# Altium PCB BCS1_REV2.2.PcbDoc (part 4 of 4)
Units mm, origin at the board's own origin, x right, y up, seen from the top; angles counter-clockwise.
Board outline 86.39 x 54.64 mm, 8 copper layers (TOP, LAYER 2 (Plane1), LAYER 3, LAYER 4_PWR1, LAYER 5_PWR2, LAYER 6, LAYER 7 (Plane2), BOTTOM), stack 1.674 mm thick; 201 components, 237 nets, 906 pads, 504 vias.
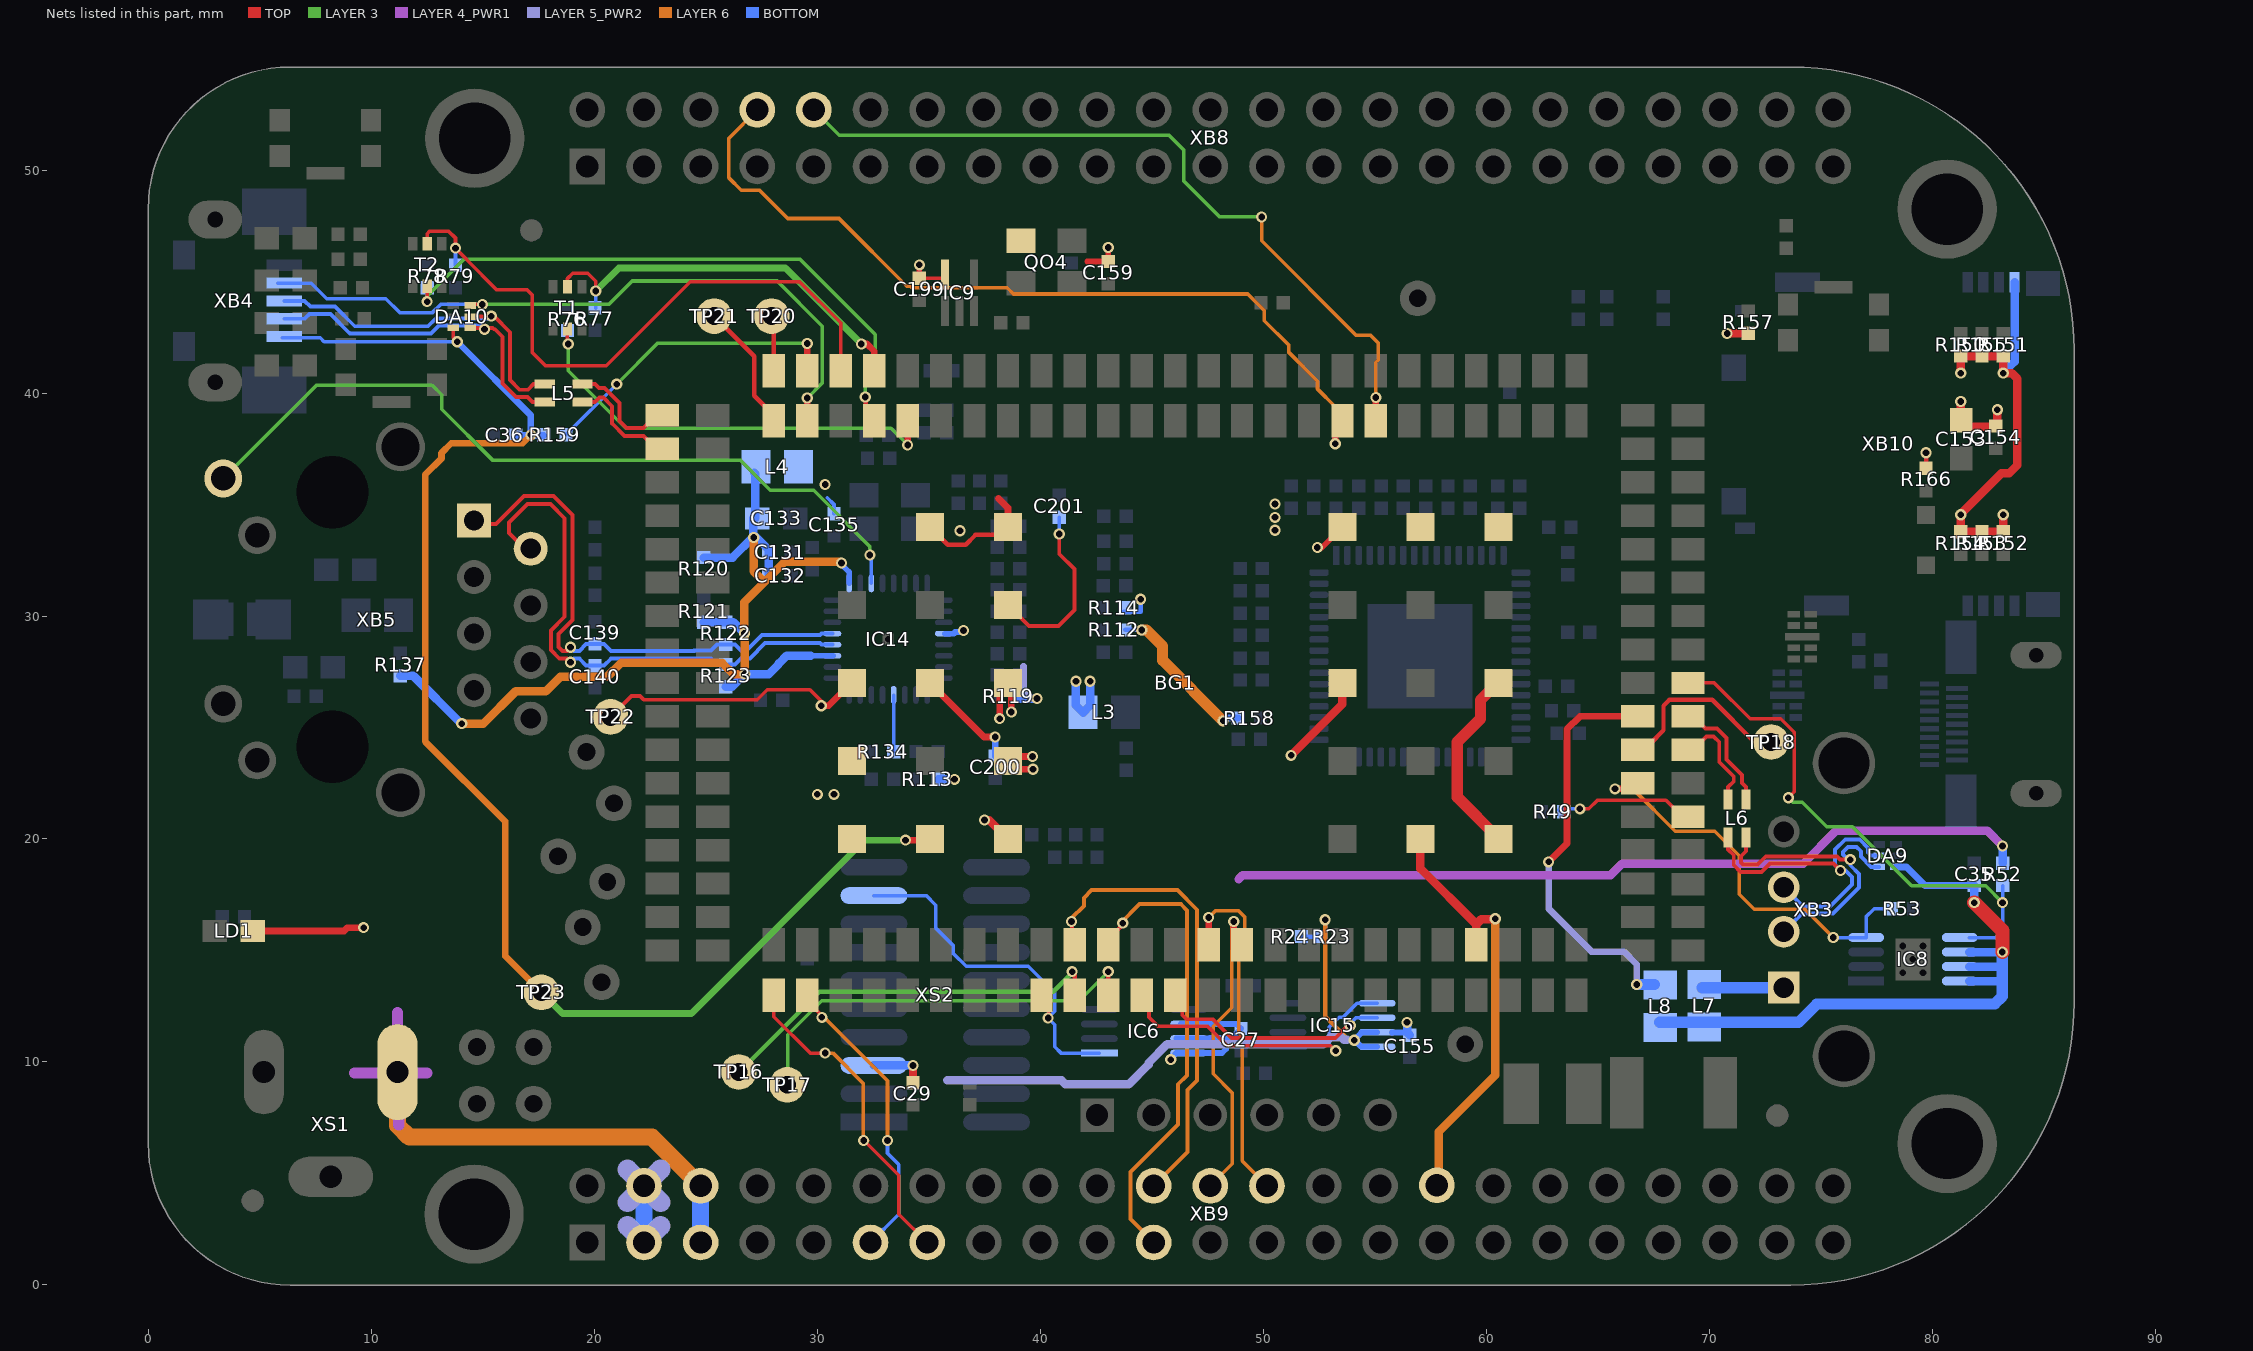
[diagram p10: the nets of this part, all layers, seen from the top]

## Via types
v1: diameter 0.5, hole 0.3, TOP to BOTTOM, tented both sides, 368 vias
v2: diameter 0.5, hole 0.3, TOP to BOTTOM, 128 vias
v3: diameter 0.559, hole 0.305, TOP to BOTTOM, tented both sides, 4 vias
v4: diameter 0.66, hole 0.33, TOP to BOTTOM, tented top, 4 vias

## Nets (pads, with @x,y where several pads share a name; then routed paths per layer and width w, separated by ;. In a path a pad name is that pad's centre, name@x,y a point inside that pad or via, vN(x,y) a via of type N, cw(c..) or ccw(c..) an arc to the next point about the centre after c; other vN are vias at no path point) (continued)
TIMER6: BG1.150 XB8.10 | length 34.6
  TOP w0.3: BG1.150@55.05,38.75 v1(55.05,39.8)
  LAYER 3 w0.16: XB8.10@29.845,52.705 30.988,51.562 45.775,51.562 46.425,50.912 46.425,49.525 48.05,47.9 v1(49.925,47.9)
  LAYER 6 w0.16: v1(49.925,47.9) 49.925,46.825 54.165,42.585 54.815,42.585 55.165,42.235 55.165,41.49 55.05,41.375 v1(55.05,39.8)
TIMER7: BG1.151 XB8.8 | length 38.5
  TOP w0.3: v1(53.225,37.725) BG1.151@53.225,38.8
  LAYER 6 w0.16: XB8.8@27.305,52.705 26.035,51.435 26.035,49.648 26.588,49.095 27.405,49.095 28.67,47.83 30.97,47.83 34.01,44.79 34.178,44.79 34.238,44.73 38.51,44.73 38.798,44.442 49.308,44.442 50.05,43.7 50.05,43.249 51.15,42.149 51.15,41.818 52.433,40.535 52.433,40.185 53.225,39.392 v1@53.225,37.7
TX_N: C140.2 IC14.28 R123.2 XB5.2 | length 24.8
  TOP w0.178: XB5.2@17.145,33.02 16.88,33.02 16.175,33.725 16.175,34.2 17,35.025 18.025,35.025 18.67,34.38 18.67,29.972 18.045,29.347 18.045,28.468 18.428,28.085 18.764,28.085 v1(18.925,27.924)
  BOTTOM w0.178: v1(18.925,27.924) 19.086,28.085 19.324,28.085 19.634,27.775 C140.2@20.025,27.775 20.434,27.775 20.744,28.085 24.5,28.085 ; 24.475,28.098 25.237,28.098 25.509,27.825 R123.2@25.9,27.825 26.309,27.825 26.582,28.098 26.973,28.098 27.662,28.787 30.112,28.787 30.184,28.715 IC14.28@30.674,28.715
TX_P: C139.2 IC14.29 R122.2 XB5.1 | length 24.8
  TOP w0.178: XB5.1@14.605,34.119 15.592,34.119 16.853,35.38 18.172,35.38 19.025,34.527 19.025,29.825 18.4,29.2 18.4,28.615 18.575,28.44 18.764,28.44 v1(18.925,28.601)
  BOTTOM w0.178: v1(18.925,28.601) 19.086,28.44 19.324,28.44 19.634,28.75 C139.2@20.025,28.75 20.434,28.75 20.744,28.44 24.5,28.44 ; 24.475,28.453 25.237,28.453 25.509,28.725 R122.2@25.9,28.725 26.309,28.725 26.582,28.453 26.825,28.453 27.515,29.142 30.112,29.142 30.184,29.215 IC14.29@30.674,29.215
TXCLK: IC14.20 R134.2 | length 2.5
  BOTTOM w0.16: R134.2@33.425,23.911 IC14.20@33.425,26.435
UART0_CTS#: BG1.44 TP16.1 | length 18
  TOP w0.2: v1(41.427,14.051) v1@41.549,14.051 ; BG1.44@41.55,13 v1@41.55,14.05
  LAYER 3 w0.2: TP16.1@26.488,9.538 30.1,13.15 40.575,13.15 41.427,14.002 v1(41.427,14.051)
UART0_RTS#: BG1.45 TP17.1 | length 19.1
  TOP w0.2: BG1.45@43.05,13 v1(43.05,14.05)
  LAYER 3 w0.16: TP17.1@28.175,8.975 28.675,9.475 28.675,11.225 30.2,12.75 41.75,12.75 v1(43.05,14.05)
UART0_RX: BG1.47 IC15.6 | length 10.6
  TOP w0.16: BG1.47@46.05,13 46.05,12.725 46.375,12.4 46.375,12.1 46.55,11.925 47.725,11.925 48.575,11.075 53.225,11.075 53.786,11.636 v2(53.903,11.636)
  BOTTOM w0.16: v2@53.857,11.682 54.156,11.981 IC15.6@55.105,11.981
UART0_TX: BG1.46 IC15.5 | length 13.9
  TOP w0.16: BG1.46@44.55,13 44.875,12.675 44.875,12 45.275,11.6 47.5,11.6 48.375,10.725 53.025,10.725 v2(53.25,10.5)
  BOTTOM w0.16: v2(53.25,10.5) 52.95,10.8 52.95,11.55 53.4,12 53.575,12 54.206,12.631 IC15.5@55.105,12.631
UART1_RXD: BG1.73 XB9.26 | length 15.8
  TOP w0.3: BG1.73@47.55,15.25 v1(47.55,16.475)
  LAYER 6 w0.16: v1(47.55,16.475) 47.865,16.79 48.878,16.79 49.165,16.503 49.165,15.897 48.905,15.637 48.905,11.292 49.05,11.147 49.05,5.56 XB9.26@50.165,4.445
UART1_TXD: BG1.74 XB9.24 | length 14.3
  TOP w0.3: BG1.74@48.675,15.075 v1(48.675,16.3)
  LAYER 6 w0.16: XB9.24@47.625,4.445 48.615,5.435 48.615,8.61 47.75,9.475 47.75,11.6 48.585,12.435 48.585,16.135 v1@48.75,16.3
UART2_RXD: BG1.69 XB9.22 | length 21
  TOP w0.177: BG1.69@41.425,15.25 v1@41.425,16.3
  LAYER 6 w0.177: v1@41.4,16.45 41.95,17 41.95,17.355 42.298,17.703 46.148,17.703 47.025,16.827 47.025,9.175 46.6,8.75 46.6,5.96 XB9.22@45.085,4.445
  other v1: 41.4,16.3
UART2_TXD: BG1.70 XB9.21 | length 21
  TOP w0.177: BG1.70@43.05,15.25 43.05,15.525 43.7,16.175 v1(43.7,16.225)
  LAYER 6 w0.177: v1@43.675,16.3 43.675,16.305 44.344,16.973 44.424,17.053 44.445,17.075 46.3,17.075 46.575,16.8 46.575,9.4 46.175,9 46.175,7.2 44.036,5.061 44.036,2.954 XB9.21@45.085,1.905
UART4_RXD: BG1.36 XB9.11 | length 13.4
  TOP w0.16: BG1.36@29.55,13 29.55,12.725 30.25,12.025 30.226,12.025 v1(30.201,12.001)
  LAYER 6 w0.16: v1@30.25,12.05 33.147,9.153 v1(33.147,6.477)
  BOTTOM w0.16: XB9.11@32.385,1.905 33.655,3.175 33.655,5.397 33.147,5.905 v1(33.147,6.477)
UART4_TXD: BG1.35 XB9.13 | length 15
  TOP w0.16: BG1.35@28.05,13 28.05,12.025 29.675,10.4 v2(30.35,10.4) ; v1(32.075,6.475) 32.256,6.475 32.178,6.397 33.655,4.92 33.655,3.175 XB9.13@34.925,1.905
  LAYER 6 w0.16: v2(30.35,10.4) 30.7,10.4 32.05,9.05 32.05,6.681 32.256,6.475 v1(32.075,6.475)
USB0_CE: BG1.143 TP20.1 | length 2.5
  TOP w0.2: TP20.1@27.95,43.45 28.05,43.35 BG1.143@28.05,41
USB0_D_N: BG1.2 L5.1 | length 5.1
  TOP w0.177: L5.1@19.475,39.6 20.034,39.6 20.234,39.8 20.402,39.8 20.8,39.402 20.8,38.63 21.352,38.078 22.197,38.078 22.775,37.5 BG1.2@23.05,37.5
USB0_D_P: BG1.1 L5.4 | length 5.1
  TOP w0.177: L5.4@19.475,40.4 20.034,40.4 20.209,40.225 20.45,40.225 21.125,39.55 21.125,38.75 21.45,38.425 22.2,38.425 22.775,39 BG1.1@23.05,39
USB0_DRVVBUS: BG1.168 TP21.1 | length 5.8
  TOP w0.2: TP21.1@25.375,43.45 27.175,41.65 27.175,39.875 28.05,39 BG1.168@28.05,38.75
USB0_ID: BG1.167 DA10.3 XB4.4 | length 31.7
  TOP w0.16: DA10.3@14.427,43.925 14.477,43.975 v1(14.975,43.975)
  TOP w0.3: BG1.167@29.55,38.55 BG1.167@29.55,38.75 v1(29.55,39.775)
  LAYER 3 w0.16: v1(14.975,43.975) 20.65,43.975 21.7,45.025 28.2,45.025 30.225,43 30.225,40.45 v1(29.55,39.775)
  BOTTOM w0.16: XB4.4@5.8,44.925 7.3,44.925 8,44.225 10.65,44.225 11.265,43.61 12.742,43.61 13.107,43.975 v1(14.975,43.975)
USB0_N: DA10.1 L5.2 XB4.2 | length 15.7
  TOP w0.177: DA10.1@14.427,42.925 15.437,42.925 15.499,42.864 15.536,42.864 15.875,42.525 15.875,40.43 16.477,39.828 17.006,39.828 17.234,39.6 L5.2@17.775,39.6
  BOTTOM w0.177: XB4.2@6.096,43.332 7.008,43.332 7.226,43.55 8.155,43.55 9.005,42.7 9.009,42.7 9.034,42.675 12.675,42.675 13.025,43.025 15.05,43.025 15.075,43 v2(15.075,42.864)
USB0_P: DA10.2 L5.3 XB4.3 | length 16
  TOP w0.177: DA10.2@14.427,43.425 15.349,43.425 v2(15.376,43.452) 15.498,43.452 16.222,42.728 16.222,40.578 16.65,40.15 17.025,40.15 17.275,40.4 L5.3@17.775,40.4
  BOTTOM w0.177: XB4.3@6.096,44.133 7.008,44.133 7.26,43.881 8.369,43.881 9.253,42.997 12.547,42.997 12.9,43.35 15.274,43.35 v2(15.376,43.452)
USB0_VBUS: BG1.142 R159.2 | length 13.7
  TOP w0.3: BG1.142@29.55,41 v1(29.55,42.225)
  LAYER 3 w0.16: v1(21,40.4) 22.825,42.225 v1(29.55,42.225)
  BOTTOM w0.16: R159.2@18.725,38.125 v1(21,40.4)
USB1_CE: BG1.108 TP18.1 | length 8.9
  TOP w0.16: BG1.108@66.55,23.75 BG1.108@66.8,24
  TOP w0.2: BG1.108@66.8,24 67.1,24.3 67.375,24.3 67.95,24.875 67.95,25.975 68.215,26.24 70.135,26.24 72.025,24.35 TP18.1@72.775,24.35
  TOP w0.3: BG1.108@66.8,23.725 BG1.108@67.05,23.725
USB1_D_N: BG1.92 L6.1 | length 5.2
  TOP w0.177: BG1.92@69.05,25.5 69.275,25.5 69.828,24.947 70.353,24.947 70.775,24.525 70.775,23.572 71.475,22.872 71.475,22.508 71.65,22.333 L6.1@71.65,21.775
USB1_D_P: BG1.91 L6.4 | length 4.7
  TOP w0.177: BG1.91@69.05,24 69.275,24 69.875,24.6 70.2,24.6 70.45,24.35 70.45,23.45 71.101,22.799 71.101,22.584 70.85,22.333 L6.4@70.85,21.775
USB1_DRVVBUS: BG1.107 IC8.4 R53.2 | length 18.2
  TOP w0.3: v1(65.775,22.25) BG1.107@66.8,22.25
  LAYER 6 w0.16: v1@65.775,22.2 66.625,22.2 68.475,20.35 70.25,20.35 71.35,19.25 71.35,17.525 72.025,16.85 74.295,16.85 v1(75.565,15.58)
  BOTTOM w0.16: v1(75.565,15.58) IC8.4@77.036,15.58 77.036,16.509 77.395,16.868 R53.2@78.165,16.868
USB1_ID: BG1.89 R49.2 | length 6.3
  TOP w0.16: v1(64.2,21.35) 64.6,21.35 64.99,21.74 68.06,21.74 BG1.89@68.8,21
  TOP w0.3: BG1.89@68.8,21 BG1.89@69.05,21
  BOTTOM w0.16: R49.2@63.25,21.3 63.3,21.35 v1(64.2,21.35)
USB1_N: DA9.1 L6.2 XB3.2 | length 14.8
  TOP w0.177: L6.2@71.65,20.075 71.65,19.45 71.425,19.225 71.425,18.95 71.525,18.85 72.175,18.85 72.55,19.225 75.725,19.225 75.875,19.075 v2(76.325,19.075)
  BOTTOM w0.177: XB3.2@73.343,15.835 74.161,16.653 75.548,16.653 76.722,17.827 76.722,18.427 76.325,18.824 v2(76.325,19.075) 76.225,19.075 76,19.3 76,19.425 76.225,19.65 76.6,19.65 76.8,19.45 76.8,19.212 77.262,18.75 DA9.1@77.622,18.75
USB1_OCN: BG1.93 IC8.5 R52.1 | length 23.9
  TOP w0.16: BG1.93@69.05,27 70.225,27 71.835,25.39 73.206,25.39 73.815,24.781 73.815,22.115 v2(73.55,21.85)
  LAYER 3 w0.16: v2(73.55,21.85) 73.75,21.65 74.175,21.65 75.275,20.55 76.425,20.55 79.075,17.9 82.402,17.9 v1(83.157,17.145)
  BOTTOM w0.16: IC8.5@81.658,15.58 82.862,15.58 83.157,15.875 v1(83.157,17.145) R52.1@83.157,17.907
USB1_P: DA9.2 L6.3 XB3.3 | length 15
  TOP w0.177: L6.3@70.85,20.075 70.85,19.533 71.1,19.283 71.1,18.828 71.403,18.525 72.35,18.525 72.725,18.9 75.577,18.9 v2(75.889,18.589)
  BOTTOM w0.177: XB3.3@73.343,17.835 74.203,16.975 75.425,16.975 76.4,17.95 76.4,18.3 76.111,18.589 v2(75.889,18.589) 75.65,18.827 75.65,19.52 76.102,19.972 76.751,19.972 77.125,19.598 77.125,19.387 77.262,19.25 DA9.2@77.622,19.25
USB1_PWR: C35.1 DA9.6 IC8.6 IC8.7 IC8.8 L7.1 L8.2 | length 29.7
  TOP w0.635: v1(81.887,17.145) 83.149,15.883 v1(83.149,14.93)
  BOTTOM w0.305: DA9.6@78.377,18.75 78.85,18.75 79.685,17.915 81.879,17.915 C35.1@81.887,17.907
  BOTTOM w0.381: IC8.8@81.658,13.63 83.149,13.63 ; IC8.7@81.658,14.28 83.149,14.28 ; IC8.6@81.658,14.93 v1(83.149,14.93) ; v1(81.887,17.145) C35.1@81.887,17.907
  BOTTOM w0.508: L8.2@67.775,11.775 74.005,11.775 74.83,12.6 82.803,12.6 83.149,12.946 83.149,13.63 83.149,14.28 v1(83.149,14.93)
USB1_VBUS: BG1.109 L8.1 | length 18.5
  TOP w0.3: v2(62.8,18.975) 63.625,19.8 63.625,24.925 64.2,25.5 BG1.109@66.8,25.5
  LAYER 5_PWR2 w0.3: v2(62.8,18.975) 62.8,16.875 64.725,14.95 65.375,14.95 66.171,14.95 66.75,14.371 v1(66.75,13.475)
  BOTTOM w0.5: v1(66.75,13.475) L8.1@67.55,13.475
USR0: BG1.164 R76.2 T1.2 | length 20.3
  TOP w0.121: v1@18.793,42.208 18.798,42.202 v1(18.826,42.202)
  TOP w0.16: v1@18.793,42.208 T1.2@18.793,42.873
  TOP w0.3: v1(34.05,37.675) BG1.164@34.05,38.75
  LAYER 3 w0.16: v1(18.826,42.202) 18.826,40.999 21.4,38.425 33.3,38.425 v1(34.05,37.675)
  BOTTOM w0.121: v1@18.793,42.035 R76.2@18.793,42.797
USR1: BG1.140 R77.2 T1.5 | length 18.4
  TOP w0.16: T1.5@18.793,44.773 18.793,45.136 19.03,45.373 19.71,45.373 20.063,45.02 v1(20.063,44.575)
  TOP w0.3: v1(31.975,42.2) 32.225,42.2 32.55,41.875 BG1.140@32.55,41
  LAYER 3 w0.3: v1(20.063,44.575) 21.098,45.611 28.564,45.611 v1(31.975,42.2)
  BOTTOM w0.16: R77.2@20.063,43.813 v1(20.063,44.575)
USR2: BG1.165 R78.2 T2.2 | length 28.1
  TOP w0.16: v1(12.5,44.1) T2.2@12.5,44.798
  TOP w0.2: v1(32.15,39.825) 32.175,39.8 32.175,39.125 BG1.165@32.55,38.75
  LAYER 3 w0.16: v1(12.5,44.1) 12.5,44.35 14.161,46.011 29.214,46.011 32.6,42.625 32.6,41.7 32.15,41.25 v1(32.15,39.825)
  BOTTOM w0.16: v1@12.5,43.96 v1(12.5,44.1) R78.2@12.5,44.722
USR3: BG1.141 R79.2 T2.5 | length 28.6
  TOP w0.16: T2.5@12.5,46.698 12.5,47.15 12.6,47.25 13.475,47.25 13.77,46.955 v1(13.77,46.5) 14.278,45.992 ; 14.25,46 15.625,44.625 16.993,44.625 17.205,44.413 17.205,41.828 17.807,41.226 20.526,41.226 24.3,45 29.2,45 31.05,43.15 BG1.141@31.05,41
  BOTTOM w0.16: R79.2@13.77,45.738 v1(13.77,46.5)
VBUS: L7.2 XB3.1 | length 3.7
  BOTTOM w0.508: L7.2@69.675,13.335 XB3.1@73.343,13.335
VDD_1V8: BG1.C3 BG1.C4 L3.2 | length 6.7
  TOP w0.3: v1(38.175,25.4) BG1.C3@38.175,26.4 ; v1(38.7,25.7) BG1.C3@38.7,26.65 ; BG1.C4@38.75,23.7 v1(39.65,23.7) ; BG1.C4@38.925,23.125 v1(39.675,23.125)
  BOTTOM w0.381: v1(41.6,27.072) 41.6,25.995 41.923,25.673 42.235,25.985 v1(42.235,27.072)
VDD_3V3A: BG1.G1 C27.1 C159.2 C199.2 IC6.6 IC6.7 IC6.8 IC9.5 LD1.2 QO4.4 R52.2 | length 55.8
  TOP w0.16: C199.2@34.575,45.15 35.55,45.15 IC9.5@35.725,45.325 ; QO4.4@38.7,46.4 QO4.4@39.125,46.825
  TOP w0.254: C199.2@34.575,45.15 v2(34.575,45.75) ; 42.1,45.9 C159.2@43.05,45.9 v1(43.05,46.525) ; v1(52.428,33.077) 52.627,33.077 BG1.G1@53.55,34
  TOP w0.3: LD1.2@4.672,15.878 8.778,15.878 8.925,16.025 v1(9.65,16.025)
  LAYER 4_PWR1 w0.381: 48.9,18.2 49.075,18.374 65.576,18.374 66.101,18.899 74.224,18.899 75.7,20.375 82.467,20.375 v1(83.157,19.685)
  BOTTOM w0.254: v1(45.848,10.105) 46.098,10.4 48.15,10.4 48.325,10.575 48.325,11.087 ; IC6.7@46.098,11.05 47.55,11.05 47.587,11.087 48.587,11.087 C27.1@49,11.5 48.8,11.7 IC6.6@46.3,11.7
  BOTTOM w0.381: R52.2@83.157,18.923 v1(83.157,19.685)
VDD_3V3B: BG1.B1 BG1.C1 C29.2 C135.1 C153.2 C154.2 C155.1 IC14.12 IC15.7 IC15.8 L4.2 R23.1 R24.1 R112.2 R113.1 R114.2 R119.2 R150.1 R151.1 R152.1 R153.1 R154.1 R155.1 R157.1 R158.1 R166.2 XB9.3 XB9.4 XB10.4 XS2.5 | length 85
  TOP w0.2: BG1.B1@35.05,34 35.85,33.2 36.654,33.2 37.091,33.637 38.187,33.637 BG1.C1@38.55,34 ; R166.2@79.725,36.625 v2(79.725,37.325)
  TOP w0.3: 38.125,35.275 38.55,34.85 BG1.C1@38.55,34
  TOP w0.381: C29.2@34.29,9.08 v1(34.29,9.842) ; v1(70.803,42.672) R157.1@71.755,42.672 ; v1(81.28,39.624) 81.28,38.608 81.388,38.5 C154.2@82.85,38.5 ; v1(81.28,40.894) 81.28,41.656 83.185,41.656 v1(83.185,40.894) 83.566,40.894 83.82,40.64 83.82,36.77 83.45,36.4 83.1,36.4 81.28,34.58 v1(81.28,34.544) 81.28,33.782 83.185,33.782 v1(83.185,34.544) ; C154.2@82.925,38.634 v1(82.925,39.25)
  LAYER 6 w0.2: v1(52.775,16.375) 52.775,12.043 53.818,11 v1@53.971,11
  LAYER 6 w0.5: v1(44.55,29.375) 44.761,29.375 45.48,28.656 45.48,28.02 v2(48.2,25.3)
  LAYER 5_PWR2 w0.3: 39.25,27.75 39.25,26.622 39.572,26.3 v1(39.85,26.3)
  LAYER 5_PWR2 w0.381: 35.819,9.173 40.953,9.173 41.126,9 43.974,9 44.853,9.878 44.853,9.959 45.689,10.795 52.696,10.795 53.001,11.1 53.499,11.1 53.599,11 53.775,11
  LAYER 5_PWR2 w0.889: 21.491,2.639 XB9.3@22.225,1.905 22.959,2.639 ; 21.491,3.711 XB9.4@22.225,4.445 ; 21.491,5.179 XB9.4@22.225,4.445 ; 22.959,3.711 XB9.4@22.225,4.445 ; 22.959,5.179 XB9.4@22.225,4.445
  BOTTOM w0.16: 30.45,35.3 30.747,35.003 C135.1@30.747,34.592
  BOTTOM w0.2: R114.2@43.75,30.2 44.5,30.2 v1(44.5,30.75) ; R112.2@43.8,29.375 v1(44.55,29.375) ; R24.1@51.7,15.625 R23.1@52.575,15.625 52.775,15.825 v1(52.775,16.375)
  BOTTOM w0.254: IC14.12@35.725,29.2 36.127,29.2 ; 36.092,29.2 36.175,29.283 36.484,29.283 v1(36.552,29.351) ; v1@53.996,10.896 54.431,11.331 IC15.7@55.105,11.331 ; v1@54.063,11.013 54.394,10.681 IC15.8@55.105,10.681 ; IC15.7@55.765,11.325 C155.1@56.4,11.325
  BOTTOM w0.3: v2(48.2,25.3) 48.325,25.425 R158.1@48.875,25.425
  BOTTOM w0.381: XS2.5@32.537,9.842 v1(34.29,9.842) ; R113.1@35.425,22.675 v1@36.187,22.675 ; R119.2@39.088,26.3 v1(39.85,26.3) ; v1(56.45,11.775) 56.45,11.325 C155.1@56.575,11.2 ; v1(83.185,40.894) 83.7,41.409 83.7,43.986 XB10.4@83.7,44.972
  BOTTOM w0.762: XB9.3@22.225,1.905 XB9.4@22.225,4.445
  other v1: 54.078,10.976 36.152,22.676 36.4,33.825 30.35,35.9
VDD_5V: BG1.A4 BG1.A5 XB9.5 XB9.6 XS1.1 | length 25.6
  LAYER 4_PWR1 w0.5: 9.25,9.5 XS1.1@11.168,9.5 ; XS1.1@11.168,9.548 XS1.1@11.168,9.5 ; XS1.1@11.175,10.875 11.175,12.207 ; 11.225,7.168 XS1.1@11.225,8.5 ; 12.5,9.5 XS1.1@11.168,9.5
  LAYER 6 w0.762: XS1.1@11.176,9.525 11.176,7.149 11.7,6.625 22.585,6.625 XB9.6@24.765,4.445
  BOTTOM w0.762: XB9.5@24.765,1.905 XB9.6@24.765,4.445
  other v1: 30,22 30.75,22
VDD_ADC: BG1.81 BG1.H5 XB9.32 | length 19.7
  TOP w0.381: BG1.H5@57.05,20 57.05,18.675 59.55,16.175 ; BG1.81@59.55,15.25 59.55,16.175 ; v1@60.3,16.4 59.775,16.4 59.55,16.175
  LAYER 6 w0.381: XB9.32@57.785,4.445 57.875,4.535 57.875,6.875 60.4,9.4 60.4,16.423 v1(60.403,16.426)
VDD_CORE: BG1.A3 BG1.H1 BG1.I1 TP22.1 | length 12.3
  TOP w0.16: TP22.1@20.725,25.475 21.665,26.415 22.046,26.415 22.201,26.26 22.21,26.26 22.22,26.25 27.3,26.25 27.75,26.7 29.668,26.7 30.175,26.193 v1(30.175,25.975)
  TOP w0.3: v1(30.175,25.975) 30.508,25.975 31.533,27 BG1.A3@31.55,27
  other v1: 50.525,33.85 50.525,34.425 50.525,35.025
VDD_MPU: BG1.B3 C200.2 | length 4.8
  TOP w0.3: BG1.B3@35.05,27 37.475,24.575 v1(37.975,24.575)
  BOTTOM w0.3: C200.2@37.975,23.725 v1(37.975,24.575)
VDD_PHYA: C131.2 C132.2 C133.2 IC14.1 IC14.27 L4.1 R120.1 R121.1 R122.1 R123.1 R137.2 | length 44.4
  LAYER 6 w0.381: v1(14.05,25.175) 15.025,25.175 16.475,26.625 17.825,26.625 18.475,27.275 20.575,27.275 21.2,27.9 25.725,27.9 26.225,27.4 v1(26.75,27.4) 26.75,29.2 v1(26.725,29.225) 26.725,30.625 27.625,31.525 ; v1(27.15,33.525) 27.15,32 27.625,31.525 ; v1(31.08,32.379) 31.033,32.425 28.525,32.425 27.625,31.525
  BOTTOM w0.254: 29.698,28.225 IC14.27@30.7,28.225 ; v1(31.08,32.379) 31.08,32.318 31.424,31.974 IC14.1@31.424,31.465
  BOTTOM w0.381: R137.2@11.3,27.325 11.875,27.325 14.025,25.175 v1(14.05,25.175) ; R121.1@24.9,29.725 R122.1@25.9,29.725 26.225,29.725 v1(26.725,29.225) ; R120.1@24.9,32.625 26.2,32.625 27.125,33.55 v1@27.125,33.659 ; R123.1@25.9,26.825 26.175,26.825 v1(26.75,27.4) 27.824,27.4 28.275,27.851 28.275,27.875 28.625,28.225 29.698,28.225 ; C133.2@27.125,34.384 v1@27.125,33.659 ; L4.1@27.164,36.436 27.225,36.375 C133.2@27.225,34.384 ; C132.2@27.9,31.809 27.825,31.884 27.825,32.959 v1@27.125,33.659
VDD_PLL: BG1.C2 C201.2 | length 8.1
  TOP w0.177: BG1.C2@38.55,30.5 39.5,29.55 40.807,29.55 41.525,30.268 41.525,32.1 40.85,32.775 v1(40.85,33.675)
  BOTTOM w0.177: v1(40.85,33.675) 40.85,33.8 C201.2@40.85,34.425
VDD_S: BG1.C5 BG1.G3 | length 5.6
  TOP w0.381: v1(37.5,20.85) 37.7,20.85 BG1.C5@38.55,20 ; v1(51.25,23.75) 53.55,26.05 BG1.G3@53.55,27
VDD_USB_DC: BG1.B5 C36.1 DA10.6 R159.1 TP23.1 XB4.1 | length 67.5
  TOP w0.16: DA10.6@13.672,42.925 13.672,42.477 v1(13.85,42.3)
  TOP w0.3: v2(33.95,19.95) 35,19.95 BG1.B5@35.05,20
  LAYER 3 w0.3: TP23.1@17.625,13.125 18.575,12.175 24.35,12.175 32.125,19.95 v2(33.95,19.95)
  LAYER 6 w0.3: v1(17.15,38.125) 16.775,37.75 13.583,37.75 13.14,37.307 13.14,37.067 12.41,36.337 12.41,24.38 16,20.79 16,14.75 TP23.1@17.625,13.125
  BOTTOM w0.16: XB4.1@6,42.475 7.7,42.475 7.875,42.3 v1(13.85,42.3)
  BOTTOM w0.3: v1(13.85,42.3) 17.15,39 v1(17.15,38.125) ; C36.1@16.475,38.1 R159.1@17.725,38.1
VDDS_DDR: BG1.I3 BG1.I5 | length 8.6
  TOP w0.5: BG1.I5@60.55,20 60.55,20.025 58.7,21.875 58.7,24.35 59.743,25.393 59.743,26.225 60.518,27 BG1.I3@60.55,27
XDMA_EVENT_INTR0: BG1.43 IC6.1 XS2.17 | length 16.7
  TOP w0.16: BG1.43@40.05,13 40.05,12.725 40.375,12.4 40.375,12 v2(40.35,11.975)
  BOTTOM w0.16: XS2.17@32.537,17.462 34.887,17.462 35.315,17.035 35.315,16.01 36.1,15.225 36.1,14.865 36.678,14.287 39.462,14.287 40.65,13.1 40.65,12.275 v2(40.35,11.975) 40.65,11.675 40.65,10.675 40.925,10.4 IC6.1@42.65,10.4
YELA: IC14.3 XB5.9 | length 35.8
  LAYER 3 w0.16: XB5.9@3.355,36.17 7.545,40.36 12.715,40.36 13.15,39.925 13.15,39.275 15.43,36.995 26.54,36.995 27.895,35.64 29.834,35.64 32.357,33.117 v1(32.357,32.734)
  BOTTOM w0.16: v1(32.357,32.734) 32.425,32.665 32.425,32.35 IC14.3@32.424,31.465
pads on no net: DA9.3 DA9.5 DA10.5 IC9.1 IC11.26 IC11.28 PM1.1 PM2.1 PM3.1 PM4.1 PM5.1 PM6.1 XB5.7 XB5.100 XB5.101 XB6.2 XS1.3 XS2.6 XS11.2 XS11.3 XS11.6
